# Altium PCB LAB_B3_209_V1.PcbDoc (part 1 of 4) (continued)
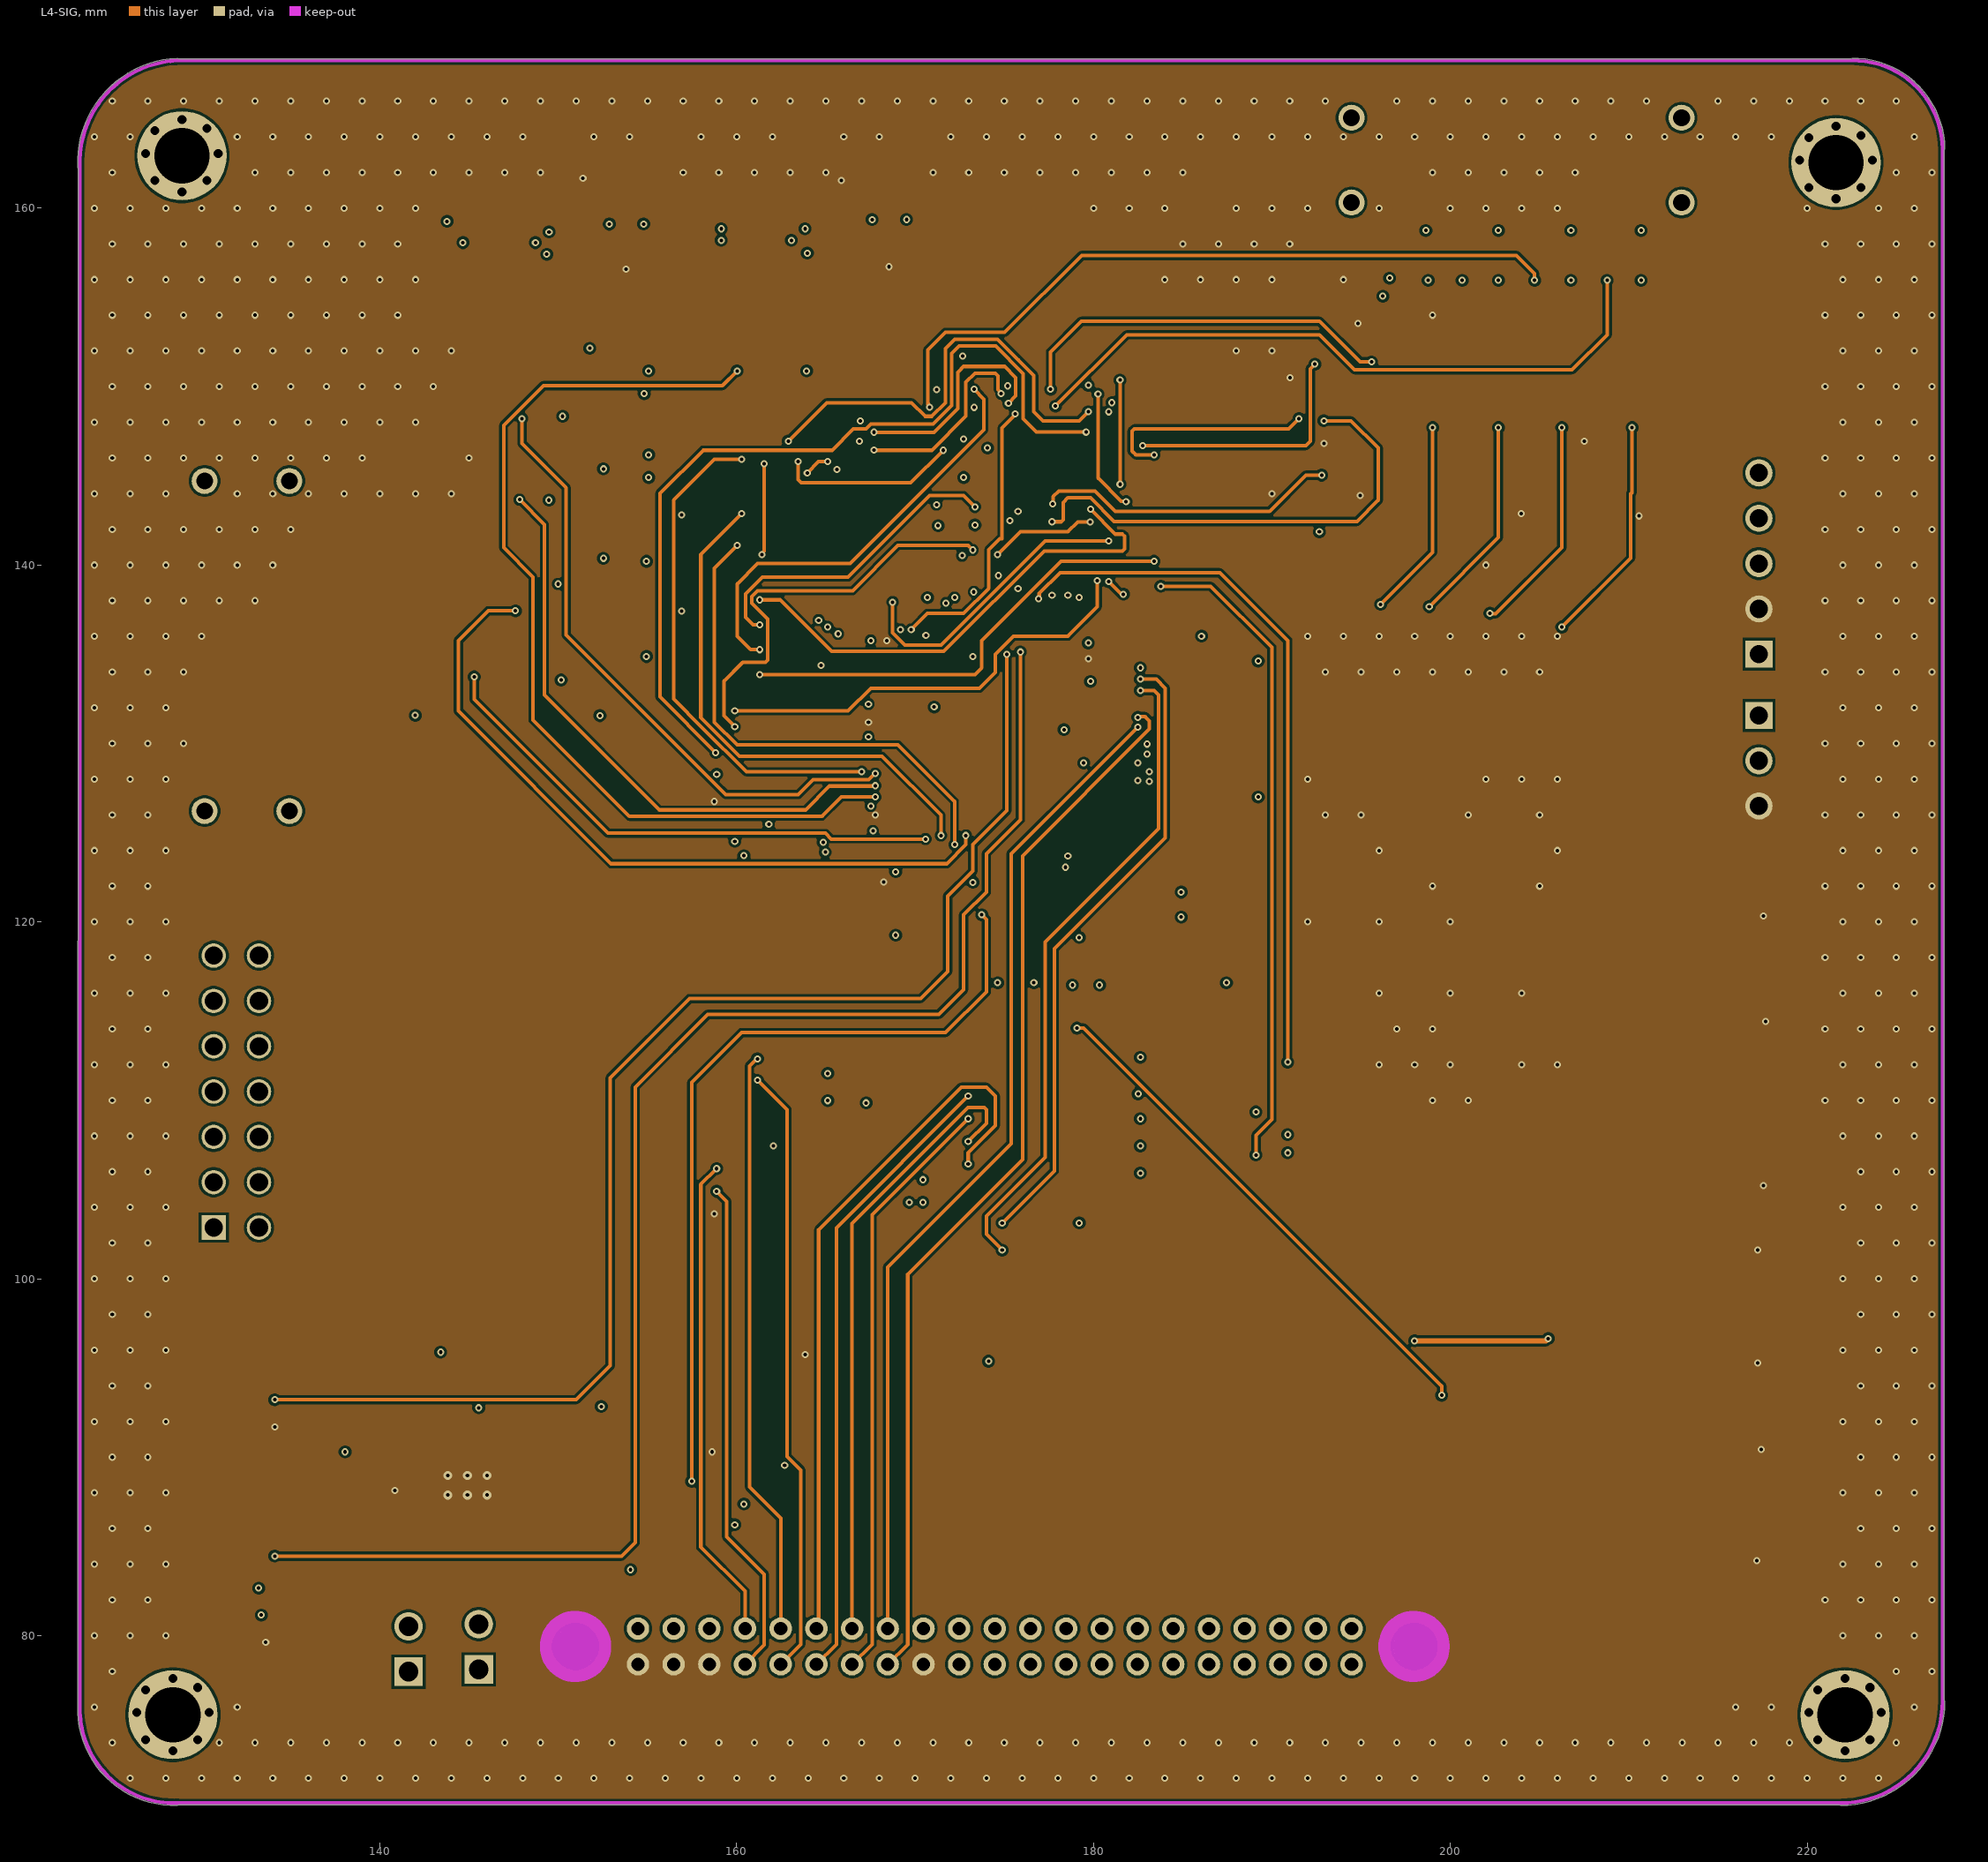
[diagram p4: L4-SIG]
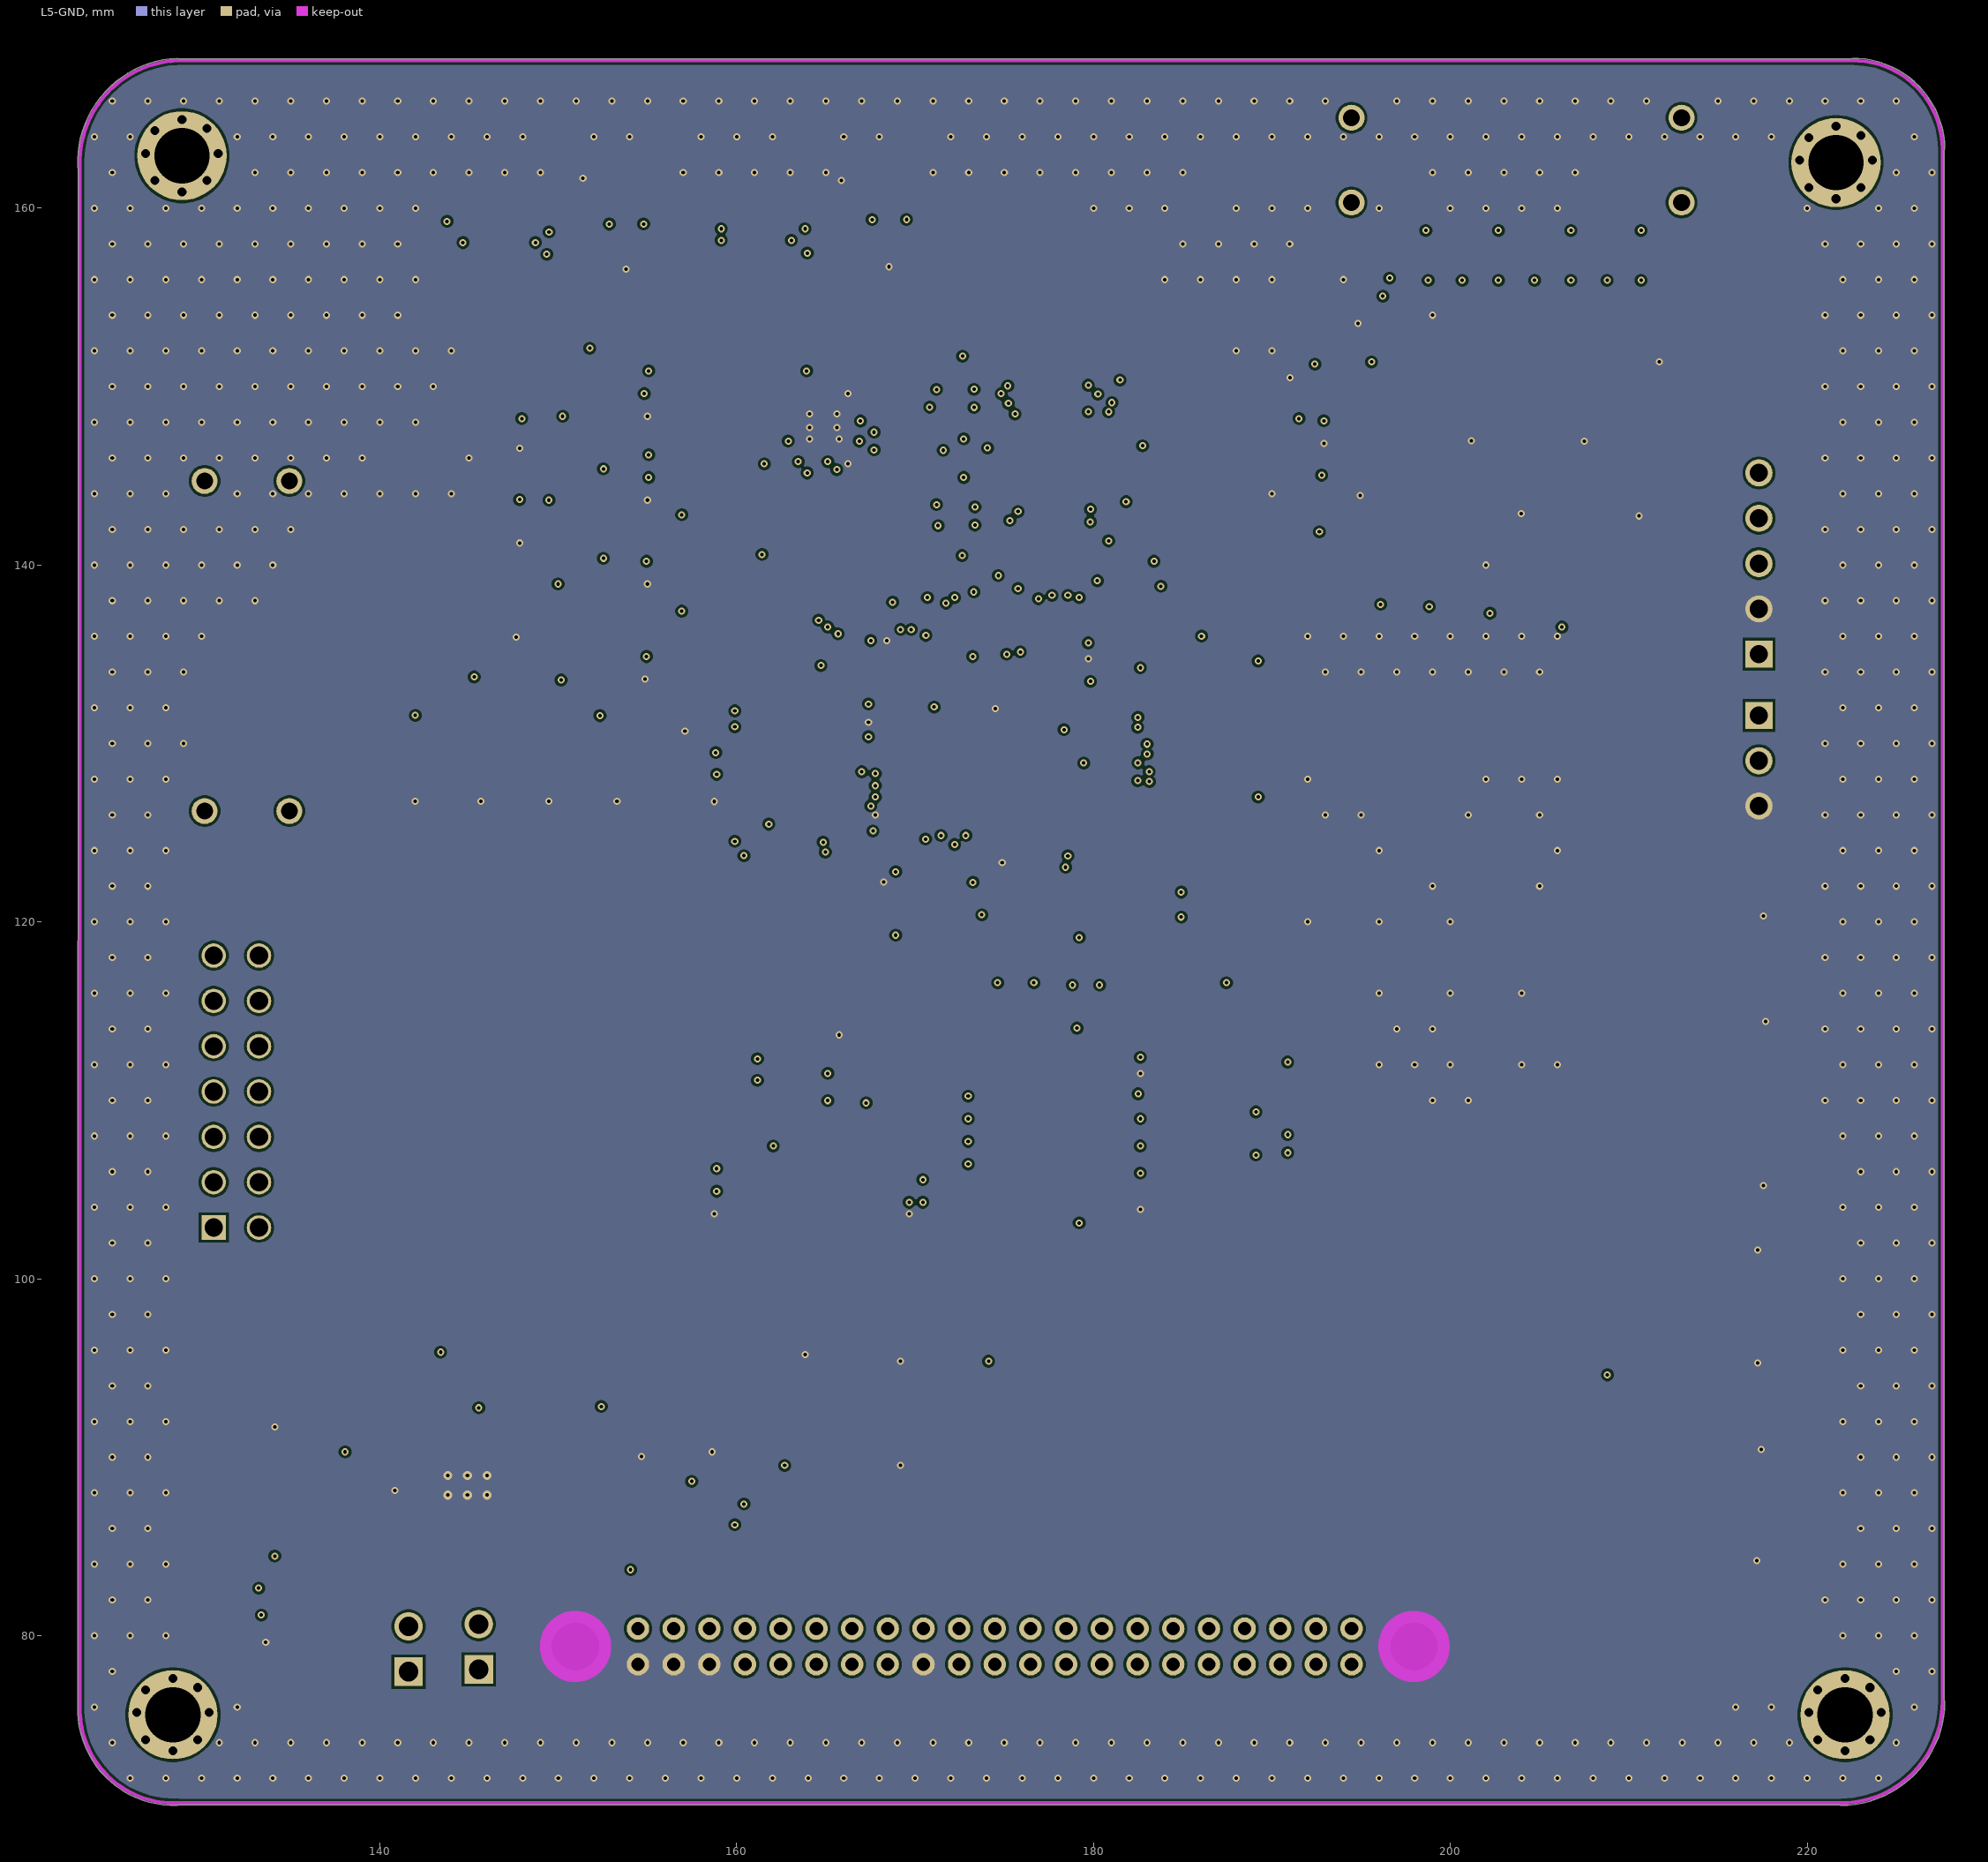
[diagram p5: L5-GND]
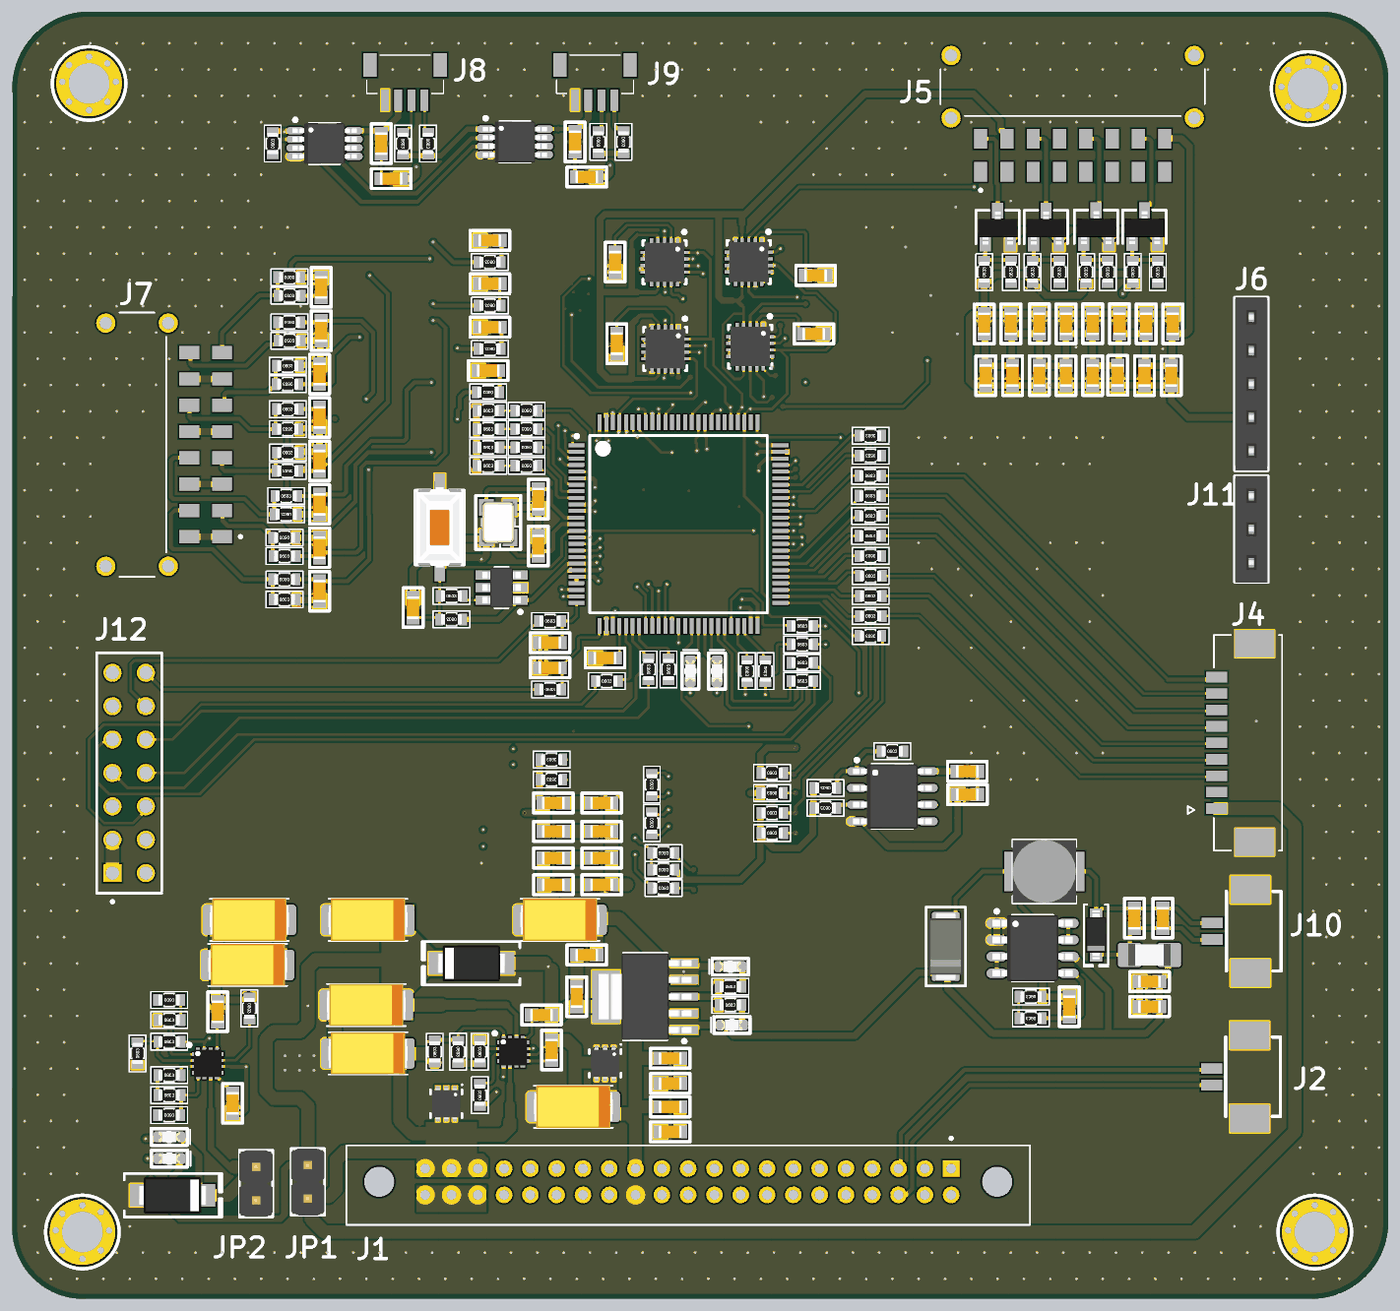
[diagram p9: 3D render of the assembled board from above, using the file's embedded part models]
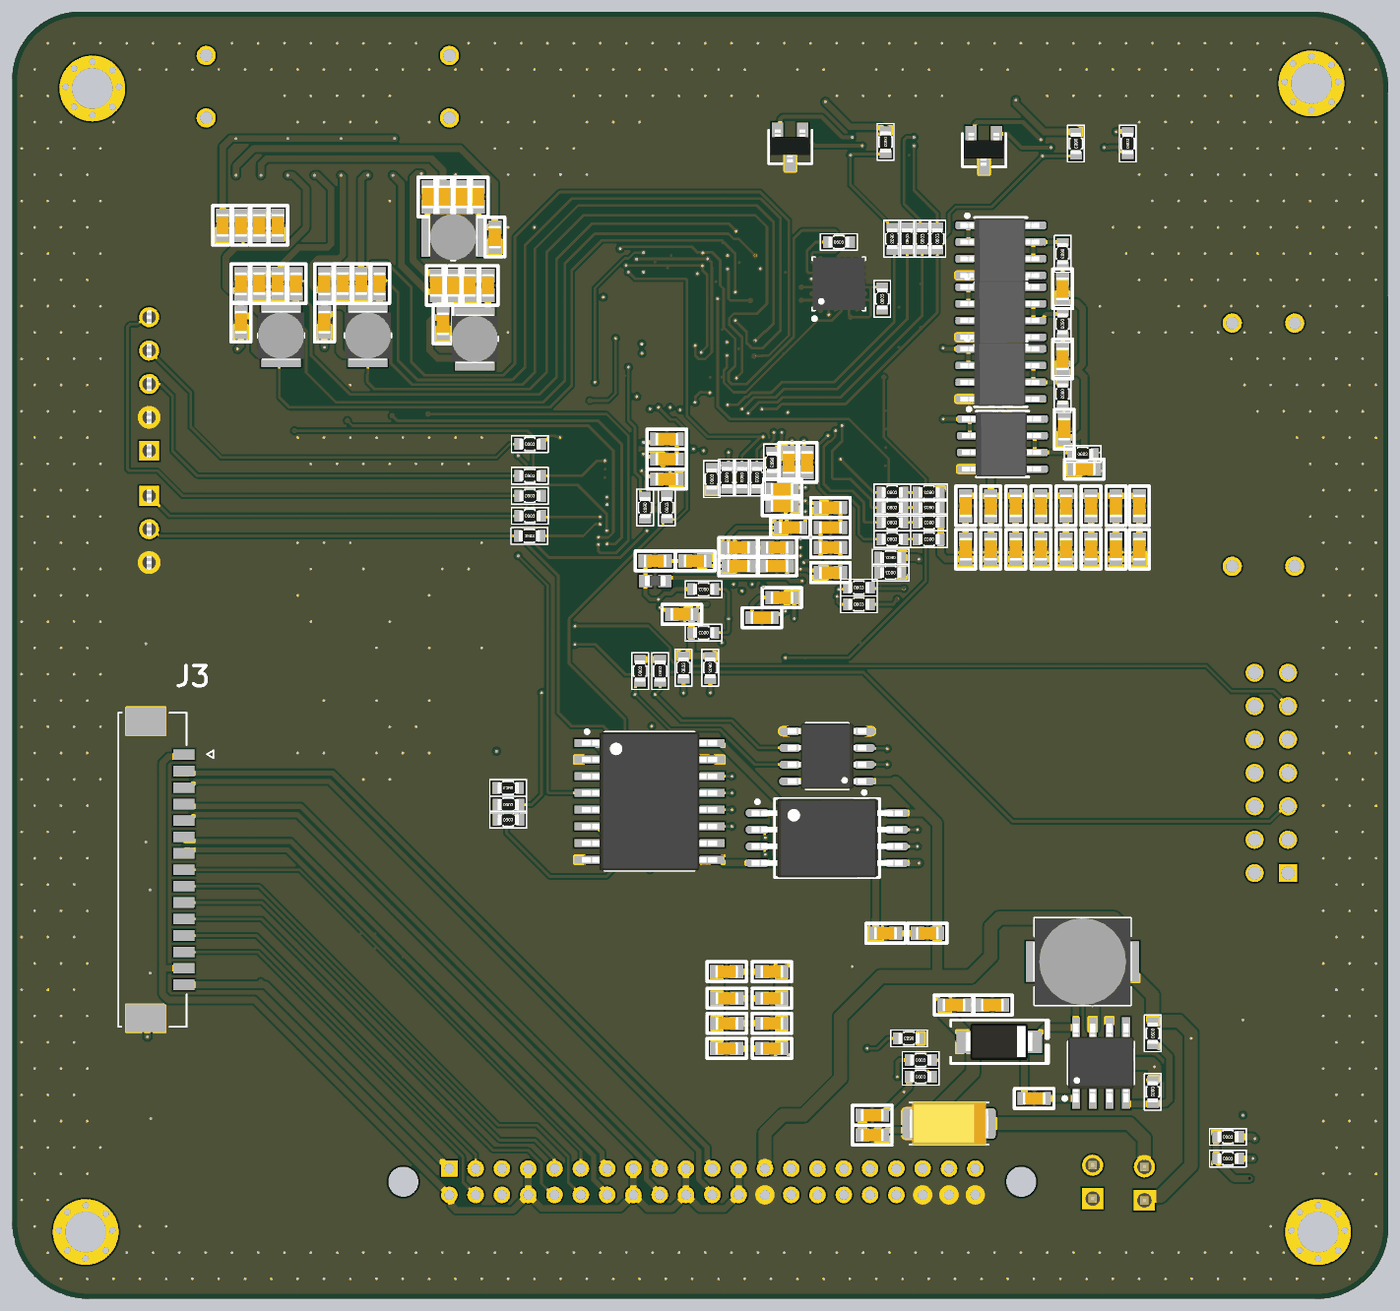
[diagram p10: 3D render of the assembled board from below, using the file's embedded part models]

## Layer stack, top to bottom
Top Solder: solder mask 0.0102, Solder Resist, Dk 3.5
L1-SIG: signal copper 0.0175
Dielectric 2: prepreg 0.103, PP-006, Dk 4.1
L2-GND: signal copper 0.035
Dielectric 4: core 0.073, PP-006, Dk 4.1
L3-VCC: signal copper 0.035
Dielectric 1: dielectric 0.103, FR-4, Dk 4.8
L4-SIG: signal copper 0.035
Dielectric 5: core 0.073, PP-006, Dk 4.1
L5-GND: signal copper 0.035
Dielectric 3: prepreg 0.103, PP-006, Dk 4.1
L6-SIG: signal copper 0.0175
Bottom Solder: solder mask 0.0102, Solder Resist, Dk 3.5

## Board outline
123.063,75.687 ccw(c128.461,75.882) 128.656,70.485 128.729,70.512 221.791,70.512 221.869,70.485 ccw(c221.869,76.327) 227.711,76.327 227.684,76.405 227.684,163.244 227.711,163.324 ccw(c222.567,163.258) 222.502,168.402 222.426,168.375 128.729,168.375 128.645,168.402 ccw(c128.905,162.56) 123.063,162.3 123.09,162.228

## Design rules (kind name [scope] priority, off if disabled: settings)
Clearance [All] p1: gap=0.15 ignorepadtopadclearanceinfootprint=TRUE
DiffPairsRouting [InDifferentialPairClass('My pair')] p1: maxlimit=0.254 minlimit=0.254 mostfreqgap=0.254 toplayer_minwidth=0.381 toplayer_maxwidth=0.381 toplayer_prefwidth=0.381 midlayer1_minwidth=0.381 midlayer1_maxwidth=0.381 midlayer1_prefwidth=0.381 midlayer2_minwidth=0.381 midlayer2_maxwidth=0.381 midlayer2_prefwidth=0.381 midlayer3_minwidth=0.381 midlayer3_maxwidth=0.381 midlayer3_prefwidth=0.381 midlayer4_minwidth=0.381 midlayer4_maxwidth=0.381 midlayer4_prefwidth=0.381 bottomlayer_minwidth=0.381 bottomlayer_maxwidth=0.381 bottomlayer_prefwidth=0.381 maxuncoupledlength=12.7
MatchedLengths [InDifferentialPairClass('My pair')] p1: tolerance=25.4 checknetsindiffpair=TRUE checkdiffpairvsdiffpair=FALSE checkxsignals=FALSE checkothers=FALSE
PolygonConnect [All] p1: connectstyle=Direct reliefconductorwidth=0.254 reliefentries=4 polygonreliefangle="90 Angle" airgapwidth=0.254
RoutingVias [All] p1: holewidth=1 width=0.4 viastyle="Through Hole" minholewidth=0.2 minwidth=0.4 maxholewidth=0.2 maxwidth=1.5
SolderMaskExpansion [All] p1: expansion=0.102 istentingtop=FALSE
Width [All] p1: maxlimit=0.254 minlimit=0.254 preferedwidth=0.254
Width Width_pow [All] p2: maxlimit=1 minlimit=0.2 preferedwidth=0.5
Width Width_sig [All] p3: maxlimit=0.32 minlimit=0.15 preferedwidth=0.32
29 further rules are at their usual default settings.

## Classes and differential pairs
differential pair class "My pair": CAM_CK CAM_D0 CAM_D1
component class HEADER: C152 C153 J1 J2 J3 J4 J5 J7 J12 R8 R120 R121 R122 R123 R124 R125 R126 R127 R128 R129 R130 R131 R132 R133 R134
component class POWER: C1 C2 C3 C4 C5 C6 C7 C8 C9 C10 C11 C12 C13 C14 C15 C16 C17 C18 C19 C20 C21 D1 D2 D3 DS1 DS2 DS3 DS4 JP1 JP2 L1 R1 R2 R3 R4 R5 R6 R7 R9 R10 R11 R12 R13 R14 R15 R16 R17 R18 R19 R20 R135 R149 TVS1 TVS2 U1 U2 U3 U4
component class EXP_OBC_COMM: 10 C71 C72 C73 C74 C75 C76 C77 C78 C79 C80 C81 C82 R40 R41 R42 R43 R44 R45 R46 R47 R48 R49 R50 R51 R52 R53 R54 R55 R56 R57 R136 U11 U12
component class TEC_DRV: C22 C23 C24 C25 C26 C27 C28 C29 C30 C31 C32 C33 C34 C35 C36 C37 C38 C39 C40 C41 C42 C43 C44 C45 C46 C47 C48 C49 C50 C51 C52 C53 C56 C57 C59 C60 C61 C62 C63 C64 C67 C68 C69 C70 L2 L3 L5 R21 R22 R23 R24 R25 R26 R27 R28 R29 R30 R31 R32 R33 R34 R35 R36 R37 R38 R39 R145 R146 R147 R148 U5 U6 U7 U8 U9
component class HEATER: C83 C84 C122 C139 Q1 Q2 Q3 Q4 R58 R59 R60 R61 R62 R63 R64 R65
component class NTC: C85 C86 C87 C88 C89 C90 C91 C92 C93 C94 C95 C96 C97 C98 C99 C100 C101 C102 C103 C104 C105 C106 C107 C108 C109 C110 C111 C112 C113 C114 C115 C116 R66 R67 R68 R69 R70 R71 R72 R73 R74 R75 R76 R77 R78 R79 R80 R81 R82 R83 R84 R85 R86 R87 R88 R89 U13 U14 U15 U16
component class I2C_SENSOR: C117 C118 C119 C120 J8 J9 R90 R91 R92 R93 R94 R95 R96 R97 R98 R99 R100 R101 TVS3 TVS4 U17 U18
component class IR_LED: C121 C123 C124 C125 C154 D4 D5 J10 L6 R102 R103 R104 U19
component class FRAM: C155 C156 R139 R140 R141 R142 R143 R144 U22
component class MCU: BT1 C126 C127 C128 C129 C130 C131 C132 C133 C134 C135 C136 C137 C138 C140 C141 C142 C143 C144 C145 C146 C148 C149 C150 C151 DS5 DS6 J6 J11 L7 R105 R106 R107 R108 R109 R110 R111 R112 R113 R114 R115 R116 R117 R118 R119 R137 R138 U20 U21 X1
differential pair CAM_D1: +CAM_D1_P -CAM_D1_N
differential pair CAM_D0: +CAM_D0_P -CAM_D0_N
differential pair CAM_CK: +CAM_CK_P -CAM_CK_N

## Components (designator, comment, footprint, x,y, rotation, side; value= is the part's Value field where it differs from the comment)
10 "ADUM1250WSRZ" ADUM1250WSRZ 165.735,111.76 r0 bottom
BT1 "BT NRST" SW-SMD 155.575,129.159 r90 top
C1 "33uF/16V" CAP-TAN-2312 150.113,89.154 r180 top
C2 "33uF/16V" CAP-TAN-2312 150.114,99.314 r180 top
C3 "2.2nF/16V" CAP-CER-0603 164.083,89.408 r270 top
C4 "2.2nF/16V" CAP-CER-0603 163.321,92.075 r180 top
C5 "0.01uF/16V" CAP-CER-0603 149.986,85.725 r180 bottom
C6 "0.22uF/10V" CAP-CER-0603 153.161,92.837 r180 bottom
C7 "0.22uF/16V" CAP-CER-0603 173.101,85.09 r0 top
C8 "33uF/16V" CAP-TAN-2312 165.734,85.09 r180 top
C9 "33uF/10V" CAP-TAN-2312 149.986,92.837 r180 top
C10 "0.22uF/10V" CAP-CER-0603 156.082,92.837 r180 bottom
C11 "0.22uF/16V" CAP-CER-0603 173.101,83.185 r180 top
C12 "33uF/10V" CAP-TAN-2312 140.97,95.885 r180 top
C13 "33uF/16V" CAP-TAN-2312 156.463,83.82 r0 bottom
C14 "2.2nF/16V" CAP-CER-0603 139.826,85.356 r90 top
C15 "2.2nF/16V" CAP-CER-0603 138.683,92.329 r270 top
C16 "0.22uF/10V" CAP-CER-0603 173.101,88.773 r180 top
C17 "33uF/10V" CAP-TAN-2312 141.097,99.314 r180 top
C18 "33uF/10V" CAP-TAN-2312 164.719,99.314 r180 top
C19 "0.22uF/10V" CAP-CER-0603 166.751,96.647 r0 top
C20 "0.22uF/10V" CAP-CER-0603 173.101,86.868 r0 top
C21 "0.22uF/10V" CAP-CER-0603 165.989,93.472 r90 top
C22 "4.7uF/10V" CAP-CER-0603 197.104,140.716 r270 top
C23 "4.7uF/10V" CAP-CER-0603 196.977,144.641 r90 top
C24 "0.1uF/10V" CAP-CER-0603 205.232,144.665 r90 top
C25 "0.1uF/10V" CAP-CER-0603 211.328,144.653 r90 top
C26 "4.7uF/10V" CAP-CER-0603 209.169,140.716 r270 top
C27 "4.7uF/10V" CAP-CER-0603 211.201,140.716 r270 top
C28 "0.1uF/10V" CAP-CER-0603 207.137,140.728 r270 top
C29 "0.1uF/10V" CAP-CER-0603 205.232,140.716 r270 top
C30 "47nF/10V" CAP-CER-0603 192.913,147.574 r90 bottom
C31 "47nF/10V" CAP-CER-0603 194.183,147.574 r90 bottom
C32 "47nF/10V" CAP-CER-0603 202.565,147.713 r90 bottom
C33 "47nF/10V" CAP-CER-0603 201.168,147.713 r90 bottom
C34 "47nF/10V" CAP-CER-0603 203.962,147.701 r90 bottom
C35 "47nF/10V" CAP-CER-0603 195.453,147.574 r90 bottom
C36 "0.22uF/10V" CAP-CER-0603 173.355,91.44 r0 bottom
C37 "0.22uF/10V" CAP-CER-0603 169.926,89.535 r180 bottom
C38 "0.22uF/10V" CAP-CER-0603 169.938,91.44 r180 bottom
C39 "0.22uF/10V" CAP-CER-0603 173.367,89.535 r0 bottom
C40 "0.1uF/10V" CAP-CER-0603 191.516,147.574 r90 bottom
C41 "0.1uF/10V" CAP-CER-0603 199.771,147.701 r90 bottom
C42 "1uF/10V" CAP-CER-0603 194.945,144.653 r90 bottom
C43 "1uF/10V" CAP-CER-0603 203.962,144.78 r90 bottom
C44 "1uF/10V" CAP-CER-0603 184.023,143.891 r180 top
C45 "1uF/10V" CAP-CER-0603 169.037,143.141 r90 top
C46 "4.7uF/10V" CAP-CER-0603 201.168,144.665 r90 top
C47 "4.7uF/10V" CAP-CER-0603 203.2,144.653 r90 top
C48 "0.1uF/10V" CAP-CER-0603 207.264,144.665 r90 top
C49 "0.1uF/10V" CAP-CER-0603 209.296,144.653 r90 top
C50 "4.7uF/10V" CAP-CER-0603 199.136,140.716 r270 top
C51 "4.7uF/10V" CAP-CER-0603 203.2,140.716 r270 top
C52 "0.1uF/10V" CAP-CER-0603 201.168,140.716 r270 top
C53 "0.1uF/10V" CAP-CER-0603 199.009,144.653 r90 top
C54 "47nF/10V" CAP-CER-0603 207.518,147.713 r90 bottom
C55 "47nF/10V" CAP-CER-0603 208.915,147.713 r90 bottom
C56 "47nF/10V" CAP-CER-0603 194.818,154.305 r90 bottom
C57 "47nF/10V" CAP-CER-0603 193.548,154.305 r90 bottom
C58 "47nF/10V" CAP-CER-0603 210.312,147.701 r90 bottom
C59 "47nF/10V" CAP-CER-0603 192.278,154.305 r90 bottom
C60 "0.22uF/10V" CAP-CER-0603 173.355,93.345 r0 bottom
C61 "0.22uF/10V" CAP-CER-0603 169.938,95.377 r180 bottom
C62 "0.22uF/10V" CAP-CER-0603 169.938,93.345 r180 bottom
C63 "0.22uF/10V" CAP-CER-0603 173.367,95.377 r0 bottom
C64 "0.1uF/10V" CAP-CER-0603 196.088,154.305 r90 bottom
C65 "0.1uF/10V" CAP-CER-0603 206.121,147.701 r90 bottom
C66 "1uF/10V" CAP-CER-0603 210.312,144.78 r90 bottom
C67 "1uF/10V" CAP-CER-0603 191.008,151.257 r90 bottom
C68 "1uF/10V" CAP-CER-0603 168.91,149.352 r90 top
C69 "1uF/10V" CAP-CER-0603 184.162,148.336 r180 top
C70 "0.22uF/10V" CAP-CER-0603 168.141,119.234 r180 top
C71 "0.22uF/10V" CAP-CER-0603 158.115,98.298 r180 bottom
C72 "0.22uF/10V" CAP-CER-0603 162.306,84.455 r180 bottom
C73 "0.22uF/10V" CAP-CER-0603 161.29,98.298 r180 bottom
C74 "0.22uF/10V" CAP-CER-0603 162.306,82.931 r0 bottom
C75 "0.22uF/10V" CAP-CER-0603 164.211,106.045 r180 top
C76 "0.22uF/10V" CAP-CER-0603 164.211,101.981 r180 top
C77 "0.22uF/10V" CAP-CER-0603 167.894,106.045 r180 top
C78 "0.22uF/10V" CAP-CER-0603 167.894,101.981 r180 top
C79 "0.22uF/10V" CAP-CER-0603 164.211,108.204 r180 top
C80 "0.22uF/10V" CAP-CER-0603 164.211,104.013 r180 top
C81 "0.22uF/10V" CAP-CER-0603 167.894,108.204 r180 top
C82 "0.22uF/10V" CAP-CER-0603 167.894,104.013 r180 top
C83 "4.7uF/10V" CAP-CER-0603 208.915,152.146 r270 bottom
C84 "0.1uF/10V" CAP-CER-0603 207.518,152.146 r270 bottom
C85 "0.22uF/10V" CAP-CER-0603 143.764,130.81 r270 bottom
C86 "0.22uF/10V" CAP-CER-0603 143.764,127.508 r270 bottom
C87 "0.22uF/10V" CAP-CER-0603 141.986,130.81 r270 bottom
C88 "0.22uF/10V" CAP-CER-0603 141.986,127.508 r270 bottom
C89 "0.22uF/10V" CAP-CER-0603 146.431,127.623 r90 top
C90 "0.22uF/10V" CAP-CER-0603 146.431,140.831 r90 top
C91 "0.22uF/10V" CAP-CER-0603 147.828,141.986 r270 bottom
C92 "0.22uF/10V" CAP-CER-0603 159.385,147.701 r180 top
C93 "0.22uF/10V" CAP-CER-0603 147.574,127.508 r270 bottom
C94 "0.22uF/10V" CAP-CER-0603 147.574,130.81 r270 bottom
C95 "0.22uF/10V" CAP-CER-0603 153.289,130.81 r270 bottom
C96 "0.22uF/10V" CAP-CER-0603 153.289,127.508 r270 bottom
C97 "0.22uF/10V" CAP-CER-0603 146.431,134.227 r90 top
C98 "0.22uF/10V" CAP-CER-0603 147.828,147.32 r270 bottom
C99 "0.22uF/10V" CAP-CER-0603 146.558,147.435 r90 top
C100 "0.22uF/10V" CAP-CER-0603 159.385,151.003 r180 top
C101 "0.22uF/10V" CAP-CER-0603 151.384,130.81 r270 bottom
C102 "0.22uF/10V" CAP-CER-0603 151.384,127.508 r270 bottom
C103 "0.22uF/10V" CAP-CER-0603 149.479,130.81 r270 bottom
C104 "0.22uF/10V" CAP-CER-0603 149.479,127.508 r270 bottom
C105 "0.22uF/10V" CAP-CER-0603 146.431,124.321 r270 top
C106 "0.22uF/10V" CAP-CER-0603 146.177,133.604 r0 bottom
C107 "0.22uF/10V" CAP-CER-0603 146.431,137.529 r270 top
C108 "0.22uF/10V" CAP-CER-0603 159.258,141.097 r180 top
C109 "0.22uF/10V" CAP-CER-0603 145.669,130.81 r270 bottom
C110 "0.22uF/10V" CAP-CER-0603 145.669,127.508 r270 bottom
C111 "0.22uF/10V" CAP-CER-0603 155.194,130.81 r270 bottom
C112 "0.22uF/10V" CAP-CER-0603 155.194,127.508 r270 bottom
C113 "0.22uF/10V" CAP-CER-0603 146.431,130.925 r270 top
C114 "0.22uF/10V" CAP-CER-0603 159.385,144.399 r180 top
C115 "0.22uF/10V" CAP-CER-0603 146.558,144.133 r270 top
C116 "0.22uF/10V" CAP-CER-0603 147.701,136.64 r270 bottom
C117 "0.22uF/10V" CAP-CER-0603 165.862,158.496 r270 top
C118 "1uF/10V" CAP-CER-0603 151.13,158.369 r270 top
C119 "0.22uF/10V" CAP-CER-0603 166.751,155.829 r0 top
C120 "1uF/10V" CAP-CER-0603 151.88,155.702 r0 top
C121 "4.7uF/10V" CAP-CER-0603 209.55,94.615 r180 top
C122 "0.1uF/10V" CAP-CER-0603 211.709,152.146 r270 bottom
C123 "1uF/10V" CAP-CER-0603 208.407,99.441 r90 top
C124 "1uF/10V" CAP-CER-0603 210.566,99.441 r90 top
C125 "470nF/10V" CAP-CER-0603 203.454,92.71 r90 top
C126 "0.22uF/10V" CAP-CER-0603 170.688,122.301 r0 bottom
C127 "0.22uF/10V" CAP-CER-0603 177.927,135.89 r180 bottom
C128 "4.7uF/10V" CAP-CER-0603 168.529,129.159 r0 bottom
C129 "0.22uF/10V" CAP-CER-0603 169.164,123.825 r180 bottom
C130 "0.22uF/10V" CAP-CER-0603 177.927,134.366 r0 bottom
C131 "1uF/10V" CAP-CER-0603 169.545,126.238 r0 bottom
C132 "1uF/10V" CAP-CER-0603 178.816,126.619 r180 bottom
C133 "0.22uF/10V" CAP-CER-0603 169.533,127.635 r0 bottom
C134 "1uF/10V" CAP-CER-0603 177.927,132.842 r180 bottom
C135 "1uF/10V" CAP-CER-0603 176.784,122.555 r180 bottom
C136 "0.22uF/10V" CAP-CER-0603 165.481,127.635 r180 bottom
C137 "0.22uF/10V" CAP-CER-0603 169.164,132.08 r0 bottom
C138 "0.22uF/10V" CAP-CER-0603 167.259,134.112 r270 bottom
C139 "0.1uF/10V" CAP-CER-0603 210.312,152.146 r270 bottom
C140 "1uF/10V" CAP-CER-0603 175.768,126.619 r180 bottom
C141 "1uF/10V" CAP-CER-0603 172.466,126.238 r0 bottom
C142 "0.22uF/10V" CAP-CER-0603 172.466,127.635 r0 bottom
C143 "0.22uF/10V" CAP-CER-0603 165.481,129.159 r180 bottom
C144 "0.22uF/10V" CAP-CER-0603 165.481,125.73 r0 bottom
C145 "0.22uF/10V" CAP-CER-0603 169.164,130.81 r180 bottom
C146 "0.22uF/10V" CAP-CER-0603 168.656,134.112 r90 bottom
C148 "0.22uF/10V" CAP-CER-0603 165.481,130.683 r0 bottom
C149 "0.22uF/10V" CAP-CER-0603 153.543,123.063 r90 top
C150 "12pF/10V" CAP-CER-0603 163.068,127.762 r90 top
C151 "12pF/10V" CAP-CER-0603 163.068,131.318 r270 top
C152 "0.22uF/10V" CAP-CER-0603 163.957,118.491 r180 top
C153 "0.22uF/10V" CAP-CER-0603 163.957,120.396 r180 top
C154 "0.1uF/10V" CAP-CER-0603 209.55,92.71 r180 top
C155 "0.22uF/10V" CAP-CER-0603 195.695,110.617 r0 top
C156 "0.22uF/10V" CAP-CER-0603 195.707,108.839 r180 top
D1 "SS54" "DIODE SMA" 157.987,96.012 r180 top